# Allegro board A733_PRO2_AXP318_LPDDR4_4X_200BALL_32X1_V1_1.brd
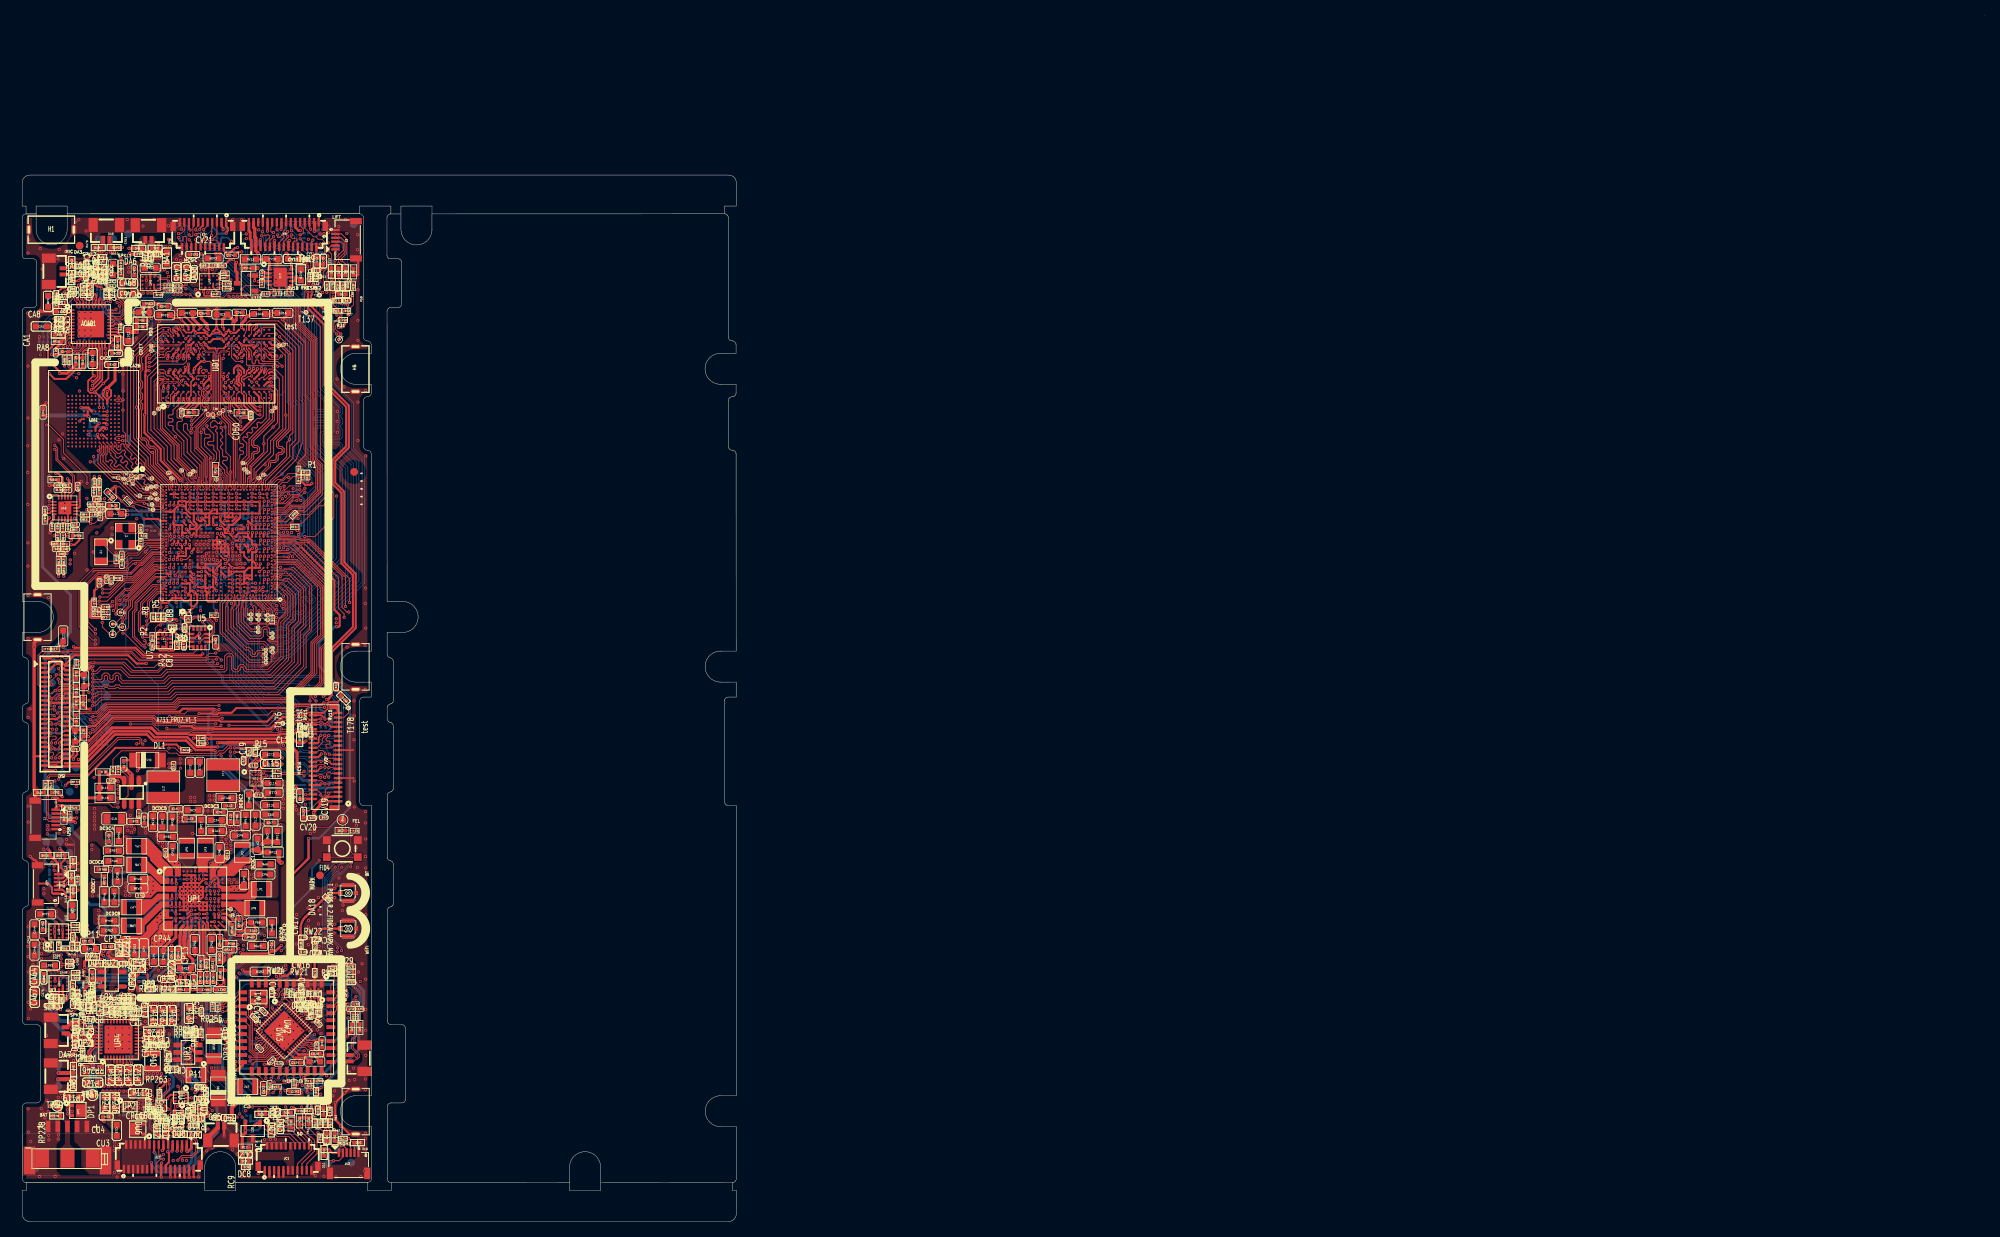
[diagram p0: board, top side]
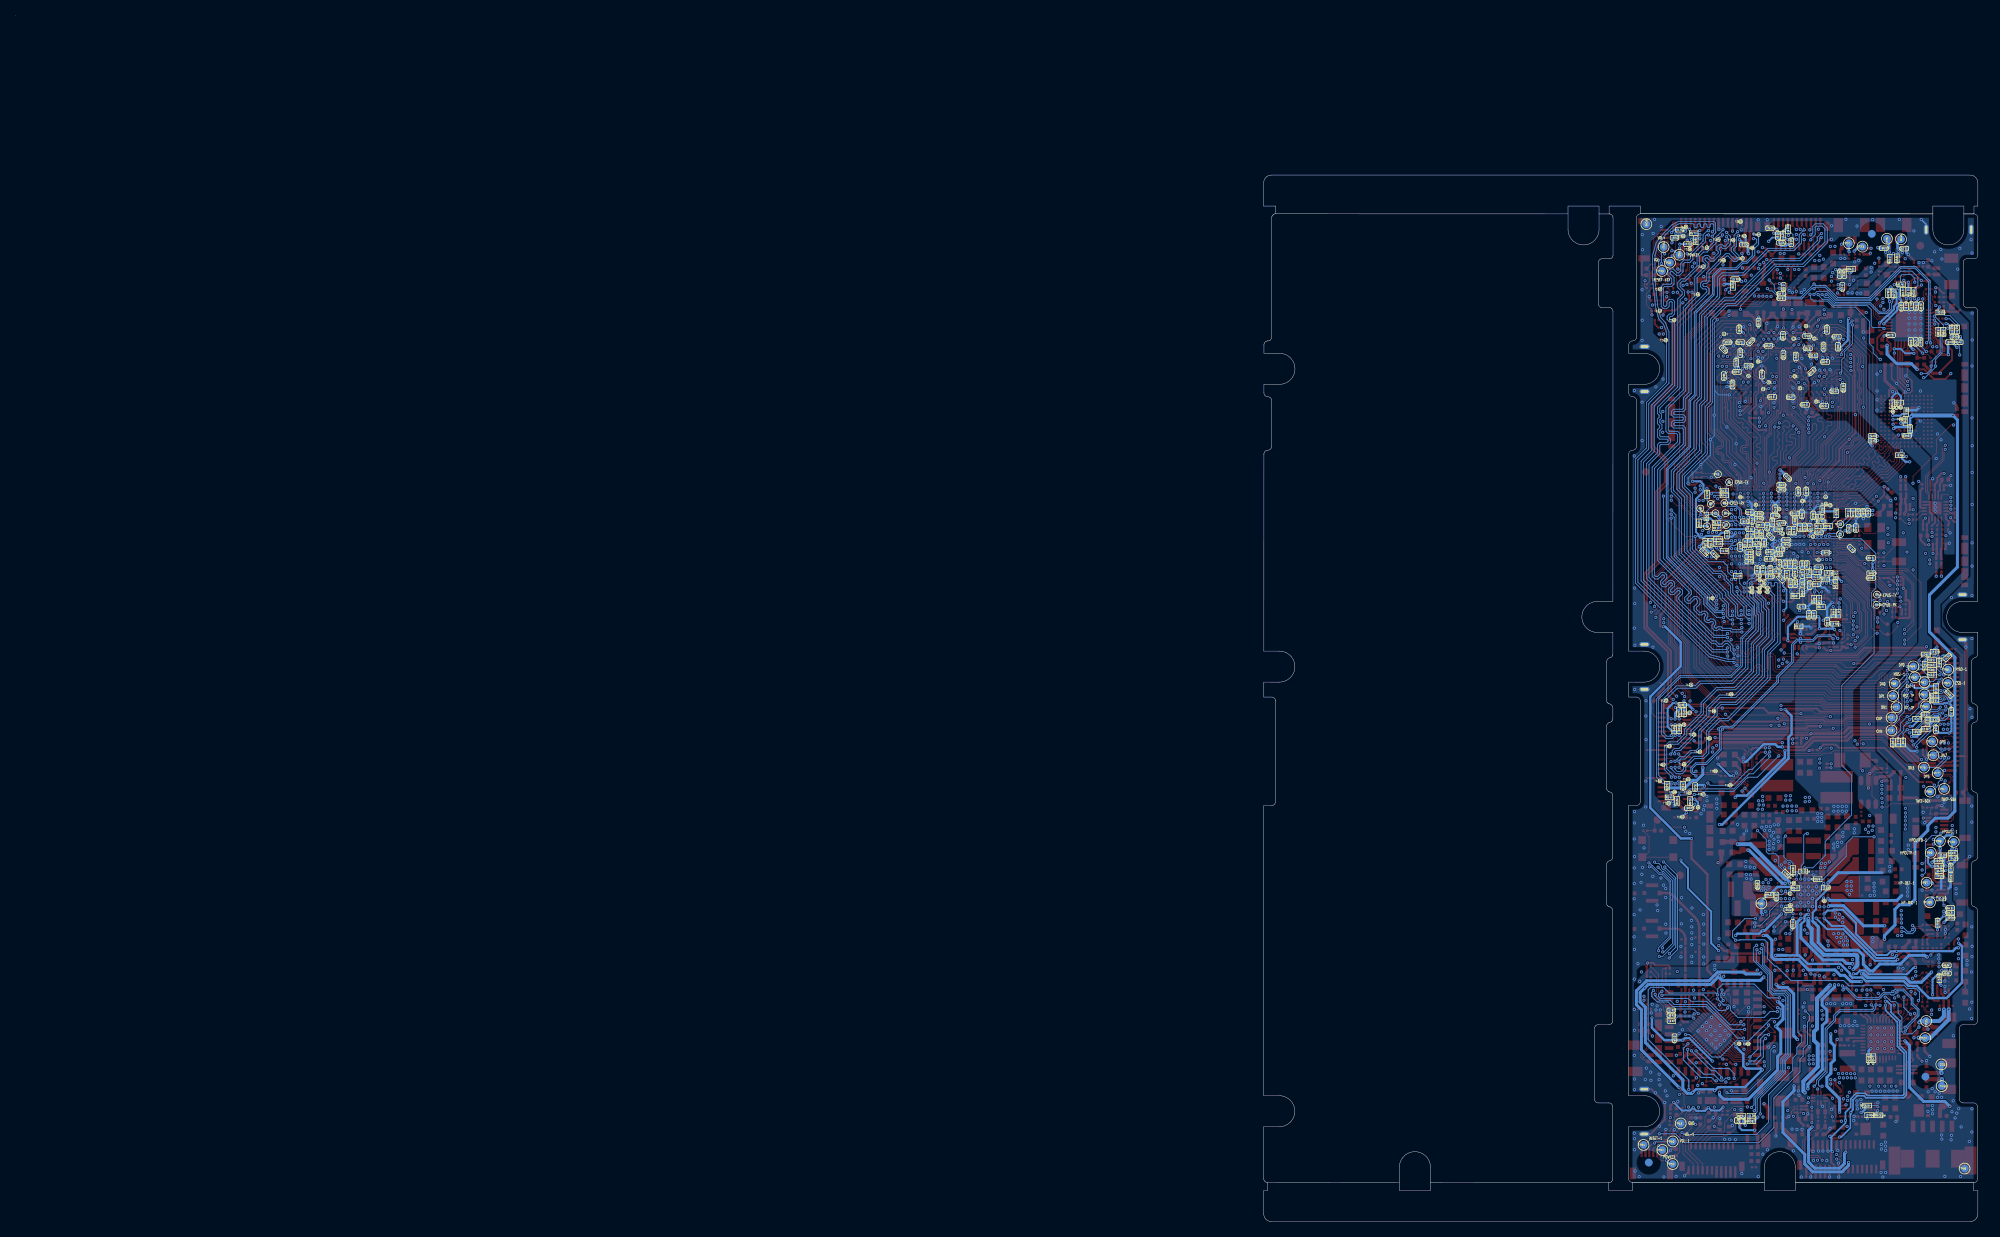
[diagram p1: board, bottom side, seen from below]

Outline 253 x 155.6 mm; copper layers: TOP, L2GND, L3, L4, L5GND, BOTTOM. Coordinates in mm from the lower left corner of the outline.
Outline path: 253,155.6 253,155.59 ; 0,129.5 arc(0.15,129.85) 0.5,130 1.8,130 1.8,128 arc(3.8,126) 5.8,128 5.8,130 43.5,130.01 arc(43.85,129.87) 44,129.51 44.01,114.11 arc(44.15,113.76) 44.51,113.61 arc(44.86,113.47) 45.01,113.11 45.01,112.01 43.01,112.01 arc(41.01,110.01) 43.01,108.01 45.01,108.01 45.01,106.91 arc(44.86,106.56) 44.51,106.41 arc(44.15,106.27) 44.01,105.91 44.01,100.01 arc(44.16,99.66) 44.51,99.51 arc(44.86,99.37) 45.01,99.01 45.02,73.59 43.02,73.59 arc(41.02,71.59) 43.02,69.59 45.02,69.59 45.02,67.66 44.02,67.66 arc(43.67,67.52) 43.52,67.16 43.52,54.16 arc(43.67,53.81) 44.02,53.66 45.02,53.66 45.04,16.34 45.04,16.23 43,16.23 arc(41.03,14.22) 43.02,12.23 45.04,12.23 45.04,5.52 arc(44.89,5.18) 44.55,5.03 44.53,5.03 27.54,5.05 27.54,7.07 arc(25.54,9.01) 23.54,7.07 23.54,7.01 23.54,5.01 0.54,5 arc(0.19,5.15) 0.04,5.5 0.04,14.8 arc(0.18,15.15) 0.54,15.3 1.89,15.3 arc(2.24,15.45) 2.39,15.8 2.38,24.9 arc(2.24,25.25) 1.88,25.4 0.53,25.4 arc(0.18,25.55) 0.03,25.9 0.03,40 arc(0.12,40.37) 0.43,40.6 arc(0.7,40.73) 0.83,41 0.83,46 arc(0.73,46.35) 0.43,46.56 arc(0.15,46.71) 0.03,47 0.02,54.93 arc(0.14,55.25) 0.42,55.42 arc(0.71,55.59) 0.82,55.91 0.82,63.91 arc(0.71,64.23) 0.42,64.4 arc(0.13,64.57) 0.02,64.89 0.02,66.29 arc(0.15,66.59) 0.42,66.77 arc(0.69,66.9) 0.82,67.17 0.82,72.17 arc(0.72,72.53) 0.42,72.73 arc(0.14,72.88) 0.02,73.17 0.02,76 2.02,76 arc(4.02,78) 2.02,80 0.02,80 0,117.44 arc(0.13,117.75) 0.4,117.93 1.47,117.93 arc(1.75,118.06) 1.87,118.33 1.87,123.81 arc(1.74,124.08) 1.47,124.21 0.54,124.21 arc(0.17,124.31) 0,124.65 0,129.5

## Design rules (mm)
net group AECR: nets AECRN AECRP
net group D+: nets D+ TYPEC-DP
net group D-: nets D- TYPEC-DM
net group DP2: nets MIC1N-MIC MIC1P-MIC
net group DP3: nets MIC2N/MIC3N MIC2P/MIC3P
net group DP4: nets MIC2N/MIC3N-1 MIC2P/MIC3P-1
net group DP5: nets MIC2N/MIC3N-MIC MIC2P/MIC3P-MIC
net group DP6: nets N20760136 N20760138
net group EMMC-CLK: nets EMMC-CLK N22008512
net group HPOUTR-2: nets HPOUTR-2 USB2-SW-EN
net group IIC-TW0: nets TWI0-SCK TWI0-SDA
net group MCSI-IIC: nets TWI3-SCK TWI3-SDA
net group MICIN1: nets MICIN1N MICIN1P
net group PWU-IIC: nets PMU-SCK PMU-SDA
net group SDC0-CLK: nets N22008209 SDC0-CLK
net group SPOL: nets SPOLN SPOLP
net group SPOR: nets SPORN SPORP
net group TW1-IIC: nets TWI1-SCK TWI1-SDA
net group USB1-DM: nets N16846076 USB1-DM
net group USB1-DP: nets N16846079 USB1-DP
net group WL-SDIO-CLK: nets N21687669 WL-SDIO-CLK
net group CLS-CLK: nets AP-CK32K-OUT
net group CLS-EMMC: nets EMMC-CMD
net group LDO: nets ALDO1 ALDO2 ALDO3 ALDO4 BLDO2 BLDO3 BLDO4 CLDO1 CLDO2
net group TYPEC-DM-1: nets N21860967 TYPEC-DM-1 USB0-DM USB2-DM
net group TYPEC-DP-1: nets N21860949 TYPEC-DP-1 USB0-DP USB2-DP

## Placement (name value [footprint] x y rotation side)
BA1  600R@100M  [L0603]  18.66 124.31 90 top
BA2  600R@100M  [L0603]  6.5 40.11 90 top
C1  2.2uF  [C0201]  20.72 83.79 0 bottom
C3  2.2uF  [C0201]  20.89 83.18 0 bottom
C4  470nF  [C0201]  20.47 84.4 0 bottom
C5  100nF  [C0201]  14.14 91.45 270 bottom
C6  100nF  [C0201]  22.63 82.41 90 bottom
C7  100nF  [C0201]  22.75 79.33 180 bottom
C8  NC/100nF  [C0201]  22.63 83.52 270 bottom
C9  100nF  [C0201]  30.07 90.33 0 bottom
C10  100nF  [C0201]  20.37 90.94 180 bottom
C11  10uF  [C0603]  5.29 75.55 90 top
C12  100nF  [C0201]  29.99 87.54 90 bottom
C13  100nF  [C0201]  29.38 87.54 90 bottom
C14  100nF  [C0201]  27.71 84.08 270 bottom
C15  100nF  [C0201]  29.38 88.39 180 bottom
C16  1uF  [C0201]  29.37 89.33 180 bottom
C17  100nF  [C0201]  32.35 88.62 270 bottom
C18  100nF  [C0201]  26.75 84.09 270 bottom
C19  100nF  [C0201]  28.48 84.09 270 bottom
C20  100nF  [C0201]  9.98 82.41 270 top
C21  100nF  [C0201]  15.73 89.47 90 bottom
C22  2.2uF  [C0201]  21.67 82.12 270 bottom
C23  100nF  [C0201]  20.8 82.24 180 bottom
C24  22uF  [C0603]  25.04 51.78 0 top
C25  22uF  [C0603]  22.03 53.07 180 top
C26  10uF  [C0402]  25.56 52.83 0 top
C27  4.7uF  [C0402]  21.53 51.95 180 top
C28  2.2uF  [C0201]  25.71 86.08 0 bottom
C29  2.2uF  [C0201]  25.61 84.86 270 bottom
C30  1uF  [C0201]  24.82 84.81 270 bottom
C31  1uF  [C0201]  24.21 84.81 270 bottom
C32  100nF  [C0201]  23.61 84.81 270 bottom
C33  2.2uF  [C0201]  25.45 86.71 0 bottom
C34  10uF  [C0402]  15.76 51.8 270 top
C35  2.2uF  [C0201]  24.74 87.93 0 bottom
C36  1uF  [C0201]  22.05 84.72 270 bottom
C37  1nF  [C0201]  11.5 82.78 90 top
C38  100nF  [C0201]  14.76 91.44 270 bottom
C39  100nF  [C0201]  20.49 88.91 180 bottom
C40  1uF  [C0201]  16.66 89.37 90 bottom
C41  1uF  [C0201]  21.68 89.53 90 bottom
C42  4.7uF  [C0402]  11.2 49.43 270 top
C43  2.2uF  [C0201]  22.33 89.56 90 bottom
C44  100nF  [C0201]  22.94 89.56 90 bottom
C45  4.7uF  [C0402]  19.83 53.25 0 top
C46  1uF  [C0201]  24.74 87.32 0 bottom
C47  2.2uF  [C0201]  16.31 86.84 45 bottom
C48  1nF  [C0201]  19.61 86.31 0 bottom
C49  100nF  [C0201]  29.41 91.54 180 bottom
C50  1uF  [C0201]  15.4 91.45 270 bottom
C51  100nF  [C0201]  10.89 82.87 270 top
C52  100nF  [C0201]  24.32 89.14 90 bottom
C53  1uF  [C0201]  23.71 89.14 90 bottom
C54  22uF  [C0603]  18.09 51.58 270 top
C55  2.2uF  [C0201]  22.66 84.71 270 bottom
C56  10uF  [C0603]  29.24 54.39 90 top
C57  4.7uF  [C0402]  32.09 51.46 0 top
C58  2.2uF  [C0201]  27.91 88.68 90 bottom
C59  1uF  [C0201]  29.47 85.14 0 bottom
C60  100nF  [C0201]  29.47 85.75 0 bottom
C61  18pF-C0G  [C0201]  15.28 87.59 270 top
C62  22pF-C0G  [C0201]  12.85 85.95 90 top
C63  22uF  [C0603]  32.05 52.51 0 top
C64  4.7uF  [C0402]  27.71 51.99 270 top
C65  2.2uF  [C0201]  26.82 86.41 180 bottom
C66  1uF  [C0201]  29.47 86.36 0 bottom
C67  100nF  [C0201]  26.99 85.48 180 bottom
C68  1uF  [C0201]  27.56 87.58 90 bottom
C69  18pF-C0G  [C0201]  15.28 89.41 90 top
C70  22pF-C0G  [C0201]  12.85 84.82 270 top
C71  10uF  [C0603]  30.08 51.78 270 top
C72  4.7uF  [C0402]  26.58 53.64 180 top
C73  4.7uF  [C0402]  26.89 52 270 top
C74  1uF  [C0201]  20.24 90.33 180 bottom
C75  100nF  [C0201]  28.52 88.68 90 bottom
C76  100nF  [C0201]  25.89 83.87 0 bottom
C77  22uF  [C0603]  12.07 91.31 180 top
C78  4.7uF  [C0402]  11.68 92.35 180 top
C79  1uF  [C0201]  27.15 89.66 90 bottom
C80  1uF  [C0201]  23.6 90.5 270 bottom
C81  100nF  [C0201]  22.69 91.26 90 bottom
C82  100nF  [C0201]  28.05 89.86 180 bottom
C83  2.2uF  [C0201]  25.76 89.3 0 bottom
C84  NC  [C0201]  10.75 79.27 180 top
C85  NC  [C0201]  9.55 78.97 0 top
C86  1nF  [C0201]  41.84 118.81 0 top
C87  10nF  [C0201]  20.87 74.29 90 top
C88  100nF  [C0201]  20.93 76.58 90 top
C89  2.2uF  [C0402]  24.95 74.75 270 top
C92  1uF  [C0201]  21.13 78.28 90 bottom
C93  100nF  [C0201]  21.79 78.28 90 bottom
C95  47pF  [C0201]  25 13.39 0 top
C96  100nF  [C0201]  16.79 74.26 90 top
C97  100nF  [C0201]  19.43 77.38 90 bottom
C108  NC/100nF  [C0201]  23.54 82.35 270 bottom
C109  100nF  [C0201]  23.6 83.69 90 bottom
C110  1nF  [C0201]  38.12 14.35 90 top
C111  NC/1uF  [C0201]  28.28 86.54 90 bottom
C116  NC/1uF  [C0201]  26.84 83.23 0 bottom
C125  NC/100nF  [C0201]  20.06 91.79 90 bottom
C128  NC/100nF  [C0201]  24.15 82.35 270 bottom
C129  NC/100nF  [C0201]  28.53 87.39 0 bottom
C130  22uF  [C0603]  16.87 51.6 270 top
C131  22uF  [C0603]  32.05 53.72 0 top
C132  100nF  [C0201]  30.65 87.02 270 bottom
C133  100nF  [C0201]  29.12 90.54 90 bottom
C134  1uF  [C0201]  19.51 58.81 90 top
C135  1uF  [C0201]  11.44 56.88 180 top
C257  1uF  [C0201]  13.77 85.61 180 bottom
C258  1uF  [C0201]  13.76 83.03 180 bottom
C259  2.2uF  [C0201]  13.76 83.64 0 bottom
CA1  10uF/2.2uF  [C0603]  2.46 115.48 0 top
CA2  1uF/NC  [C0201]  8.01 113.5 90 bottom
CA3  33pF  [C0201]  43.51 27.42 180 top
CA4  4.7uF/NC  [C0402]  5.55 112.24 0 top
CA5  1uF  [C0201]  7.95 118.09 90 bottom
CA6  100nF/1uF  [C0201]  6.44 120.3 180 top
CA7  10pF  [C0201]  42.95 28.04 180 top
CA8  10uF  [C0603]  3.34 118.73 270 top
CA9  100nF/1uF  [C0201]  6.44 119.69 180 top
CA10  2.2uF/1uF  [C0201]  8.65 113.52 90 bottom
CA11  2.2uF/NC  [C0201]  9.25 118.07 270 bottom
CA12  33pF  [C0201]  42.4 27.42 180 top
CA13  NC/2.2uF  [C0201]  11.19 114.36 180 bottom
CA14  1uF/0.47uF  [C0201]  4.34 112.09 270 top
CA15  1uF  [C0201]  7.33 118.11 90 bottom
CA16  33pF  [C0201]  8.24 123.47 270 top
CA17  1uF/0.1uF  [C0201]  8.59 118.09 270 bottom
CA18  1uF  [C0201]  9.87 118.07 90 bottom
CA19  100nF/1uF  [C0201]  9.47 123.43 270 top
CA20  10pF  [C0201]  8.86 122.64 270 top
CA21  10uF  [C0603]  11.7 122.86 270 top
CA22  100nF/1uF  [C0201]  9.47 122.32 90 top
CA23  2.2uF  [C0402]  8.76 120.15 90 top
CA24  33pF  [C0201]  8.24 121.96 270 top
CA25  10uF  [C0603]  9.08 111.35 270 top
CA26  2.2uF  [C0402]  12.01 112.03 180 top
CA27  2.2uF  [C0402]  4.9 117.41 180 top
CA28  100nF/1uF  [C0201]  4.81 116.49 180 top
CA29  100nF  [C0201]  4.99 45.22 0 bottom
CA30  33pF  [C0201]  3.03 114.16 0 bottom
CA31  100nF  [C0201]  3.5 45.63 270 bottom
CA32  100nF/1uF  [C0201]  4.8 115.85 180 top
CA33  NC/33pF  [C0201]  3.59 113.46 0 bottom
CA34  NC/33pF  [C0201]  2.46 113.45 180 bottom
CA35  22uF  [C0603]  24.62 124.27 180 top
CA36  100nF  [C0201]  25.79 123.35 0 top
CA37  NC/100nF  [C0201]  24.67 123.35 180 top
CA38  4.7uF-10V  [C0402]  22.21 122.41 90 top
CA39  10uF-25V  [C0603]  21.11 122.44 270 top
CA40  22uF  [C0603]  3.02 39.65 180 top
CA41  100nF  [C0201]  3.54 40.46 180 bottom
CA42  NC/100nF  [C0201]  3.54 39.85 180 bottom
CA43  4.7uF-10V  [C0402]  2.66 38.05 270 top
CA44  10uF-25V  [C0603]  1.59 37.63 90 top
CA45  10uF-25V  [C0603]  19.88 122.44 270 top
CA46  10uF-25V  [C0603]  1.59 35.01 90 top
CA47  330nF  [C0201]  25.32 119.72 180 bottom
CA48  330nF  [C0201]  6.12 32.93 180 top
CA49  330nF  [C0201]  25.32 119.11 180 bottom
CA50  330nF  [C0201]  6.12 33.54 180 top
CA51  NC/220pF  [C0201]  25.05 120.6 90 bottom
CA52  NC/220pF  [C0201]  6.54 36.71 90 top
CA53  NC/100pF  [C0201]  14.98 124.8 180 top
CA54  NC/100pF  [C0201]  17.47 124.77 0 top
CA55  NC/100pF  [C0201]  3.07 35.51 90 top
CA56  NC/100pF  [C0201]  5.57 35.24 0 top
CA57  22uF  [C0603]  3.53 33.04 180 top
CA58  100nF  [C0201]  3.98 32 180 bottom
CA59  NC/100nF  [C0201]  4 33.06 180 bottom
CA60  22uF  [C0603]  16.51 123.05 180 top
CA61  100nF  [C0201]  17.81 122.24 270 bottom
CA62  4.7uF-10V  [C0402]  14.46 122.53 270 top
CA63  10uF-25V  [C0603]  13.63 119.76 180 top
CA64  10uF-25V  [C0603]  1.62 31.65 90 top
CA65  NC/100nF  [C0201]  17.2 122.24 270 bottom
CA66  4.7uF-10V  [C0402]  2.8 31.53 90 top
CA67  10uF-25V  [C0603]  1.62 28.93 90 top
CA68  10uF-25V  [C0603]  13.6 121.03 0 top
CA69  330nF  [C0201]  7.16 28.05 270 top
CA70  330nF  [C0201]  20.06 120.76 0 top
CA71  330nF  [C0201]  6.51 28.05 270 top
CA72  330nF  [C0201]  20.06 120.13 0 top
CA73  NC/220pF  [C0201]  6.56 30.56 90 top
CA74  NC/220pF  [C0201]  17.47 120.61 90 bottom
CA75  NC/100pF  [C0201]  3.5 27.84 180 top
CA76  NC/100pF  [C0201]  4.64 27.84 0 top
CA77  NC/100pF  [C0201]  9.48 125.53 180 bottom
CA78  NC/100pF  [C0201]  12.14 125.56 0 bottom
CA79  1uF  [C0201]  4.65 94.37 180 top
CA80  100nF  [C0201]  4.65 94.98 180 top
CA81  1uF  [C0201]  6.82 89.26 0 top
CA82  100nF  [C0201]  5.8 94.98 0 top
CA83  10nF  [C0201]  5.54 86.76 180 top
CA84  470nF  [C0201]  5.28 88.35 90 top
CA85  1uF  [C0201]  5.36 84.1 90 top
CA86  NC  [C0201]  4.99 86.13 180 top
CA87  470nF  [C0201]  4.59 88.36 90 top
CA88  1uF  [C0201]  4.7 84.08 90 top
CA89  10nF  [C0201]  4.43 86.76 180 top
CA90  100nF  [C0201]  2.93 91.74 90 top
CA91  NC/1uF  [C0201]  3.86 89.56 270 top
CA92  NC/1uF  [C0201]  7.16 94.83 90 top
CA93  10nF  [C0201]  10.22 91.86 180 top
CA94  470nF  [C0201]  10.08 90.96 270 top
CA95  1uF  [C0201]  9.96 95.3 270 top
CA96  NC  [C0201]  9.61 93.21 180 top
CA97  470nF  [C0201]  9.21 91.21 180 top
CA98  1uF  [C0201]  9.31 95.31 270 top
CA99  10nF  [C0201]  9.01 91.85 180 top
CA100  1uF  [C0201]  5.91 89.53 270 top
CA101  1uF  [C0201]  5.8 94.37 0 top
CA102  100nF  [C0201]  6.82 89.92 0 top
CC1  100nF  [C0201]  30.48 12.91 180 bottom
CC2  4.7uF  [C0402]  28.77 8.7 180 top
CD1  22uF  [C0603]  25.78 117.03 180 top
CD2  10uF  [C0603]  21.29 117.21 180 top
CD3  NC/10uF  [C0603]  15.7 117.3 180 top
CD4  1uF  [C0402]  18.3 118.07 0 top
CD5  1uF  [C0402]  28.02 117.31 0 top
CD6  100nF  [C0201]  18.03 112.86 90 bottom
CD7  1uF  [C0201]  24.13 106.34 180 bottom
CD8  100nF  [C0201]  32.75 109.08 90 bottom
CD9  100nF  [C0201]  23.47 111.6 270 bottom
CD10  2.2uF  [C0201]  32.79 112.55 45 bottom
CD11  100nF  [C0201]  21.19 111.75 180 bottom
CD12  100nF  [C0201]  25.07 111.83 90 bottom
CD13  1uF  [C0201]  26.52 106.39 180 bottom
CD14  100nF  [C0201]  22.27 105.38 180 bottom
CD15  100nF  [C0201]  25.13 114.29 90 bottom
CD16  22uF  [C0603]  33.6 117.22 0 top
CD17  10uF  [C0603]  13.7 114.32 270 top
CD18  NC/1uF  [C0201]  17.34 107.59 90 bottom
CD19  NC/1uF  [C0201]  19.9 112.84 270 bottom
CD20  NC/1uF  [C0201]  31.63 107.97 270 bottom
CD21  100nF  [C0201]  30.6 113.45 180 bottom
CD22  100nF  [C0201]  19.45 115.05 270 bottom
CD23  2.2uF  [C0201]  19.79 105.23 180 bottom
CD24  100nF  [C0201]  31.15 110.81 270 bottom
CD25  1uF  [C0201]  31.06 109.61 180 bottom
CD26  100nF  [C0201]  19.68 110.91 180 bottom
CD27  1uF  [C0201]  18.18 114.16 180 bottom
CD28  100nF  [C0201]  29.29 113.49 315 bottom
CD29  100nF  [C0201]  30.77 115.1 270 bottom
CD30  1uF  [C0201]  32.3 113.44 0 bottom
CD31  100nF  [C0201]  29.57 110.43 0 bottom
CD32  2.2uF  [C0201]  22.03 114.24 0 bottom
CD33  100nF  [C0201]  30.63 112.05 270 bottom
CD34  100nF  [C0201]  18.5 107.11 180 bottom
CD35  10uF  [C0402]  11.37 93.76 135 top
CD36  2.2uF  [C0201]  25.36 94.43 0 bottom
CD37  2.2uF  [C0201]  25.34 90.14 0 bottom
CD38  1uF  [C0201]  23.16 94.16 270 bottom
CD39  1uF  [C0201]  25.36 95.03 0 bottom
CD40  100nF  [C0201]  22.13 94.17 270 bottom
CD41  100nF  [C0201]  23.6 91.36 180 bottom
CD42  100nF  [C0201]  24.55 96.02 45 bottom
CD43  1uF  [C0201]  26.12 91.92 90 bottom
CD44  100nF  [C0201]  26.17 91.05 0 bottom
CD45  22uF  [C0603]  30.61 117.09 0 top
CD46  10uF  [C0603]  18.37 116.94 180 top
CD47  100nF  [C0201]  27.85 109.26 270 bottom
CD48  100nF  [C0201]  21.39 109.69 135 bottom
CD49  100nF  [C0201]  28.28 116 90 bottom
CD50  100nF  [C0201]  29.46 103.98 270 top
CD51  100nF  [C0201]  20.56 104.35 270 top
CD52  100nF  [C0201]  26.98 112.99 180 bottom
CD53  100nF  [C0201]  21.9 112.65 180 bottom
CD54  4.7uF  [C0402]  23.53 117.17 0 top
CD55  10uF  [C0402]  16.14 118.41 180 top
CD56  1uF  [C0201]  28.25 90.67 0 bottom
CD57  100nF  [C0201]  26.51 90.19 270 bottom
CD58  100nF  [C0201]  28.25 91.32 0 bottom
CL1  1nF  [C0201]  15.03 52.6 90 top
CL3  10uF  [C0603]  22.91 58.61 270 top
CL4  10uF  [C0603]  21.67 58.6 270 top
CL5  4.7uF-50V  [C0805]  11.87 51.97 0 top
CL6  100nF-50V  [C0402]  14.42 51.62 180 top
CL7  100nF-50V  [C0402]  13.11 59.02 90 top
CL9  100nF  [C0201]  28.54 59.46 270 top
CL10  10uF-10V  [C0603]  32.35 55.33 180 top
CL11  100nF-10V  [C0201]  30.47 54.99 0 top
CL12  10uF-10V  [C0603]  32.04 60.24 180 top
CL13  100nF-10V  [C0201]  29.84 58.84 0 top
CL14  10uF-10V  [C0603]  32.33 56.55 0 top
CL15  4.7uF-10V  [C0603]  32.04 59.03 0 top
CL16  NC  [C0201]  5.4 63.47 270 bottom
CL17  100nF  [C0201]  3.42 65.76 270 bottom
CL18  10uF  [C0603]  7.99 69.77 270 top
CL19  100nF  [C0201]  6.84 60.95 0 top
CL20  10uF  [C0603]  6.84 62.62 270 top
CM1  100nF  [C0201]  8.73 102.26 270 bottom
CM2  100nF  [C0201]  13.58 100.75 0 bottom
CM3  4.7uF  [C0402]  11.55 110.57 180 top
CM4  4.7uF  [C0402]  2.7 104.42 90 top
CM5  1uF  [C0201]  13.58 101.36 0 bottom
CM6  100nF  [C0201]  9.13 101.38 180 bottom
CM7  NC/1uF  [C0201]  26.75 88.41 225 bottom
CM8  NC/100nF  [C0201]  21.23 91.11 90 bottom
CP1  10uF  [C0603]  15.69 35.19 90 top
CP2  4.7uF  [C0402]  27.96 38.56 90 top
CP3  22uF  [C0603]  28.61 44.16 90 top
CP4  10uF  [C0603]  16.98 34.22 90 top
CP5  22uF  [C0603]  31.3 44.78 0 top
CP6  10uF  [C0603]  31.62 49.71 270 top
CP7  10uF  [C0603]  30.36 48.67 270 top
CP8  22uF  [C0603]  25.46 47.61 90 top
CP9  22uF  [C0603]  28.12 49.81 0 top
CP10  100nF  [C0201]  25.97 41.95 90 bottom
CP11  10uF  [C0603]  8.83 35.17 0 top
CP12  4.7uF  [C0402]  8.43 36.18 0 top
CP13  4.7uF  [C0402]  19.27 34.61 90 top
CP15  1uF  [C0201]  26.44 47.32 90 top
CP17  4.7uF  [C0402]  11.06 35.48 180 top
CP18  22uF  [C0603]  25.03 50.39 180 top
CP20  1uF  [C0201]  24.45 40.21 0 bottom
CP21  1uF  [C0201]  23.86 38.39 90 bottom
CP22  10uF  [C0603]  21.05 32.69 0 top
CP23  22uF  [C0603]  19.41 47.71 90 top
CP24  4.7uF  [C0402]  18.75 31.23 0 top
CP25  4.7uF  [C0402]  14.22 31.2 90 top
CP27  22uF  [C0603]  11.77 47.84 0 top
CP28  4.7uF  [C0402]  25.45 33.9 270 top
CP29  4.7uF  [C0402]  22.99 31.34 90 top
CP30  1uF  [C0201]  18.47 47.57 90 top
CP31  10uF  [C0603]  24.44 35.76 90 top
CP32  4.7uF  [C0402]  26.78 35.05 0 top
CP33  4.7uF  [C0402]  23.83 31.34 90 top
CP34  22uF  [C0603]  18.72 49.63 0 top
CP35  4.7uF  [C0402]  24.65 31.34 90 top
CP37  4.7uF  [C0402]  25.54 29.93 180 top
CP38  22uF  [C0603]  14.93 42.99 180 top
CP39  22uF  [C0603]  12.29 44.56 90 top
CP40  10uF  [C0603]  22.26 35.74 90 top
CP41  10uF  [C0603]  18.21 34.21 90 top
CP43  1uF  [C0201]  15.17 42.06 180 top
CP44  4.7uF  [C0402]  20.11 34.63 90 top
CP46  4.7uF  [C0402]  15.03 33.4 0 top
CP47  22uF  [C0603]  11.88 41.9 270 top
CP48  NC  [C0402]  22.13 30.97 90 top
CP49  NC/10uF  [C0603]  14.92 44.19 180 top
CP50  10uF  [C0603]  30.36 35.53 180 top
CP51  NC  [C0402]  25.47 36.16 90 top
CP52  22uF  [C0603]  11.21 37.54 0 top
CP55  4.7uF  [C0402]  29.62 37.5 180 top
CP56  1uF  [C0201]  28.42 43.46 90 bottom
CP58  4.7uF  [C0402]  29.28 36.7 180 top
CP59  22uF  [C0603]  30.23 38.58 0 top
CP103  10uF  [C0603]  14.49 35.2 90 top
CP112  10uF  [C0603]  15 16.54 0 top
CP115  100nF  [C0201]  15.15 13.52 0 top
CP116  100nF  [C0201]  8.56 27.73 270 top
CP117  1uF-15V  [C0402]  15.81 27.29 270 top
CP118  10uF-15V  [C0603]  16.86 26.57 270 top
CP119  10uF  [C0603]  6.67 16.04 180 top
CP120  10uF  [C0603]  9.11 17.93 180 top
CP121  1uF  [C0201]  8.65 20.94 0 top
CP122  10uF  [C0603]  11.36 18.9 270 top
CP123  NC/22uF  [C0603]  15 18.91 90 top
CP124  4.7uF  [C0402]  17.23 23.49 180 top
CP125  47nF-25V  [C0201]  16 22.96 90 top
CP126  22uF  [C0603]  12.57 18.9 90 top
CP127  NC/22uF  [C0603]  13.78 18.91 90 top
CP129  4.7uF  [C0402]  8.29 24.46 0 top
CP130  NC/100pF  [C0201]  16.89 22.72 180 top
CP132  NC/10uF-15V  [C0603]  18.07 26.58 270 top
CP133  NC/10uF-15V  [C0603]  19.29 26.58 270 top
CP134  10uF  [C0603]  21.51 26.85 270 top
CP135  100nF  [C0201]  23.11 27.05 270 top
CP136  4.7uF  [C0402]  19.32 19.65 180 top
CP137  1uF  [C0201]  10.8 27.28 270 top
CP138  330pF  [C0201]  16.86 13.56 0 top
CP139  330pF  [C0201]  16.19 15.39 270 top
CP140  4.7uF  [C0402]  20.71 30.8 180 top
CP141  4.7uF  [C0402]  32.16 35.34 270 top
CP142  1uF  [C0201]  15.07 26.98 90 top
CP143  1uF  [C0201]  14.46 26.99 90 top
CU1  1uF  [C0201]  13.02 33.27 180 top
CU2  4.7uF  [C0402]  9.03 31.75 90 top
CU3  10uF-16V  [C0603]  12.2 11.77 270 top
CU4  1uF  [C0402]  10.83 13.5 180 top
CU5  100nF  [C0201]  22.83 17.39 180 top
CU6  100nF  [C0201]  22.04 14.67 90 top
CV1  NC  [C0201]  37.85 122.69 0 top
CV2  NC  [C0402]  38.82 123.91 270 top
CV3  NC  [C0201]  36.46 56.07 90 bottom
CV4  2.2uF  [C0201]  37.4 126.1 0 bottom
CV5  4.7uF  [C0402]  38.01 123.9 270 top
CV6  1uF  [C0201]  39.11 126.93 0 bottom
CV7  1uF  [C0201]  38.44 127.98 0 bottom
CV8  1uF  [C0201]  38.11 66.66 180 bottom
CV9  100nF  [C0201]  40.47 69.02 270 top
CV10  10uF  [C0603]  32.23 124.18 0 top
CV11  4.7uF-16V  [C0603]  34.98 124.19 0 top
CV12  1uF  [C0201]  30.91 122.2 270 top
CV13  100nF  [C0201]  30.17 126.05 0 bottom
CV14  NC/1uF  [C0201]  31.29 121.58 0 bottom
CV15  100nF  [C0201]  31.4 119.7 0 top
CV16  2.2uF  [C0201]  37.27 53.33 0 bottom
CV17  4.7uF  [C0402]  35.81 54.94 90 top
CV18  1uF  [C0201]  38.87 52.13 180 top
CV19  1uF  [C0201]  37.35 52.06 180 top
CV20  NC  [C0402]  36.29 52.55 270 top
CV21  NC  [C0402]  21.99 124.76 180 top